# Altium PCB Nuio_LeftKeyboard_Rev_E.PcbDoc (part 1 of 3)
Units mm, origin at the board's own origin, x right, y up, seen from the top; angles counter-clockwise.
Board outline 89.01 x 24.63 mm, 4 copper layers (Top Layer, GND1, GND2, Bottom Layer), stack 0.971 mm thick; 150 components, 103 nets, 610 pads, 449 vias.
Unrouted connection lines stored in the file: 24.
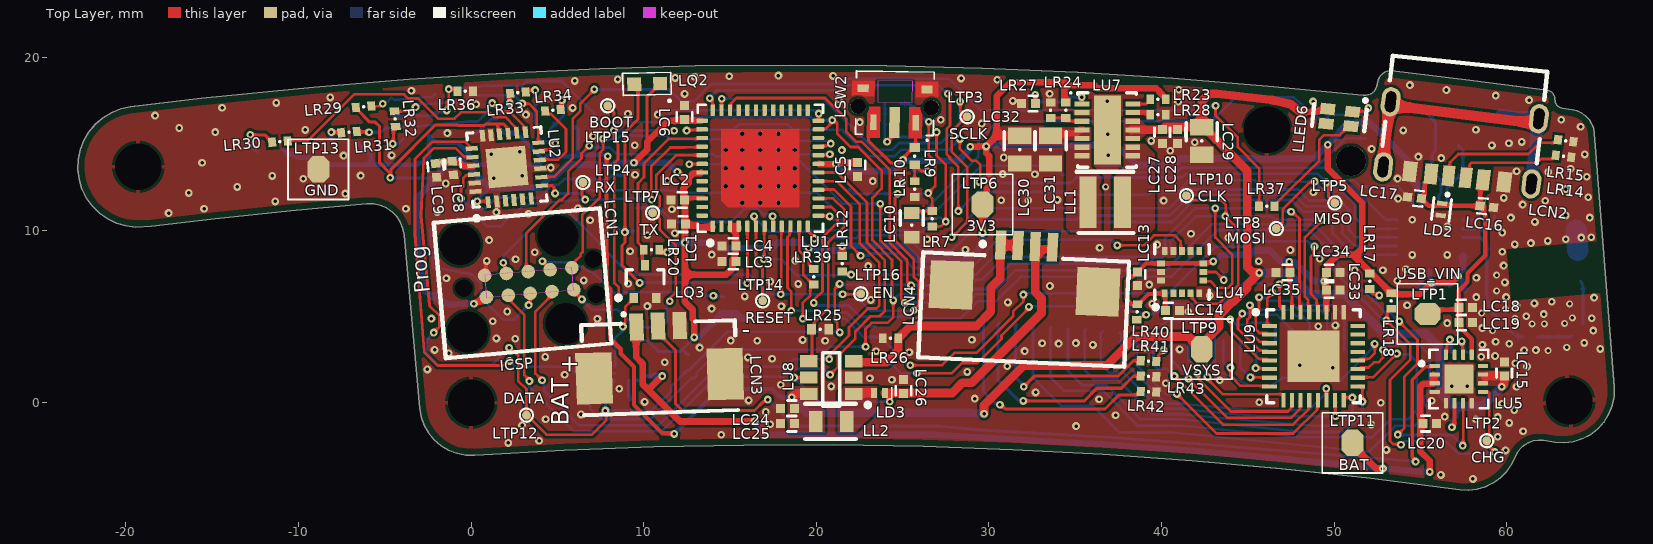
[diagram p0: Top Layer view]
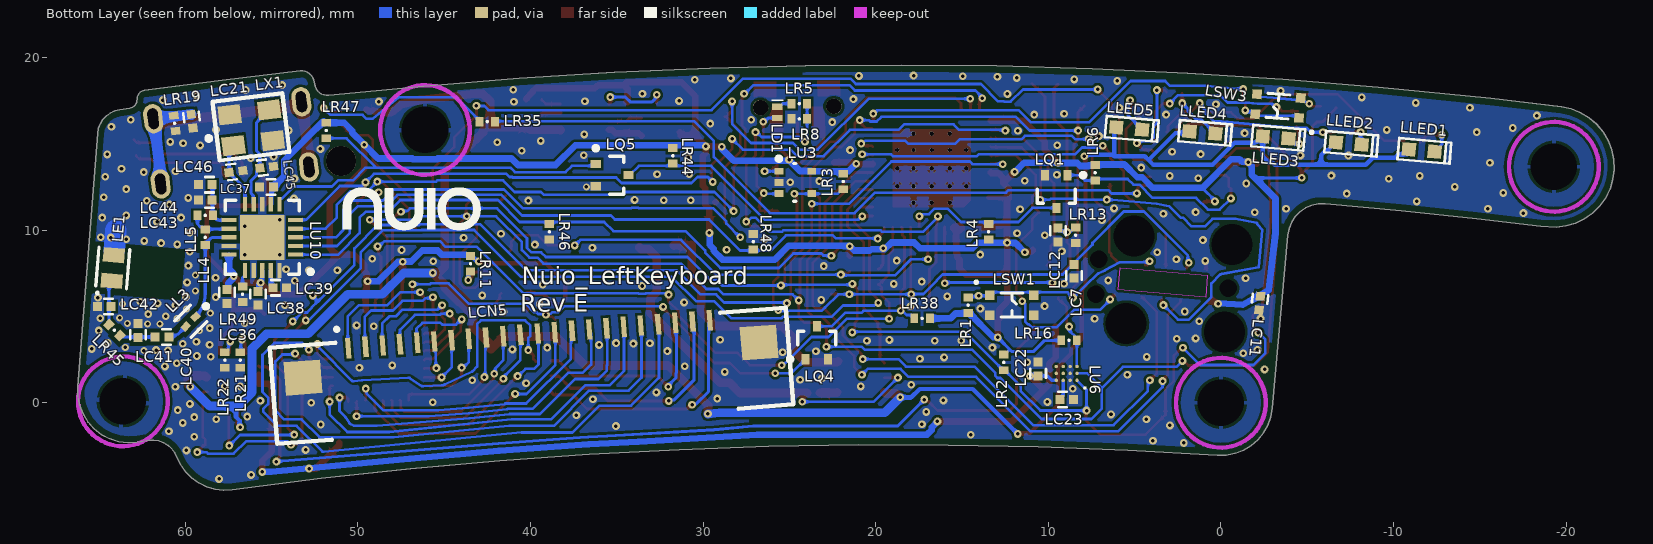
[diagram p1: Bottom Layer view, seen from below]
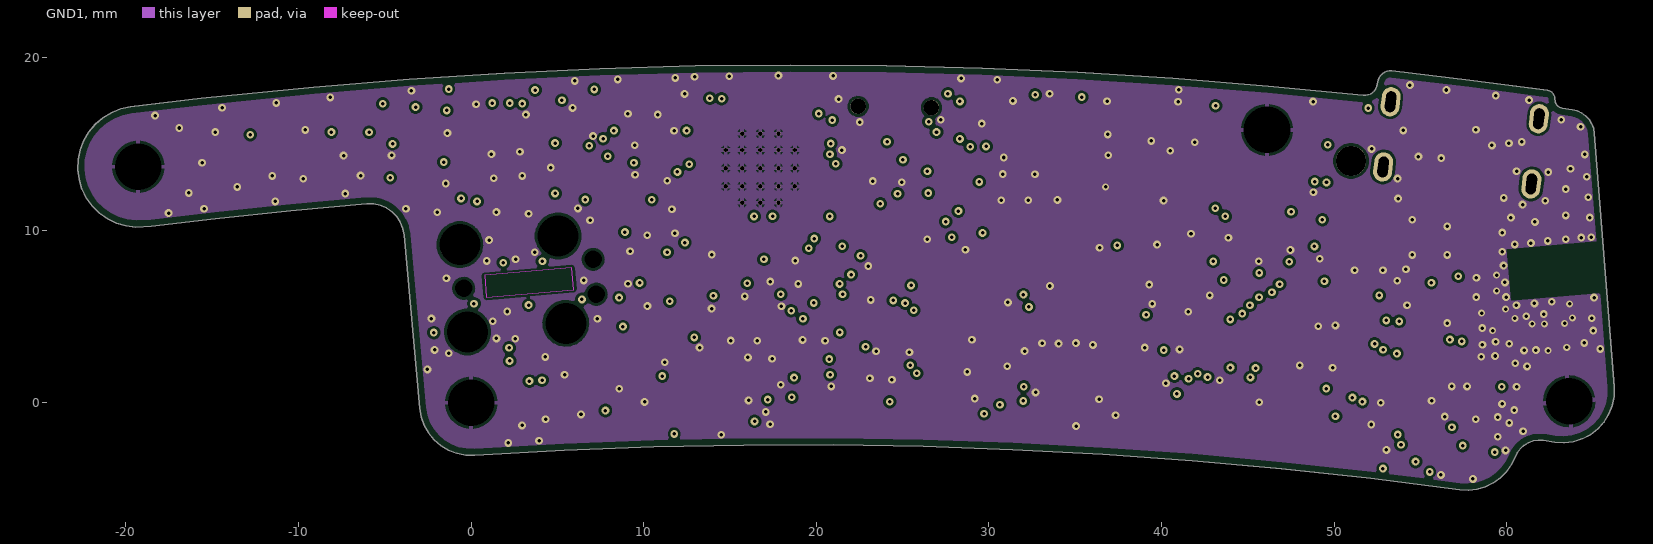
[diagram p2: GND1]
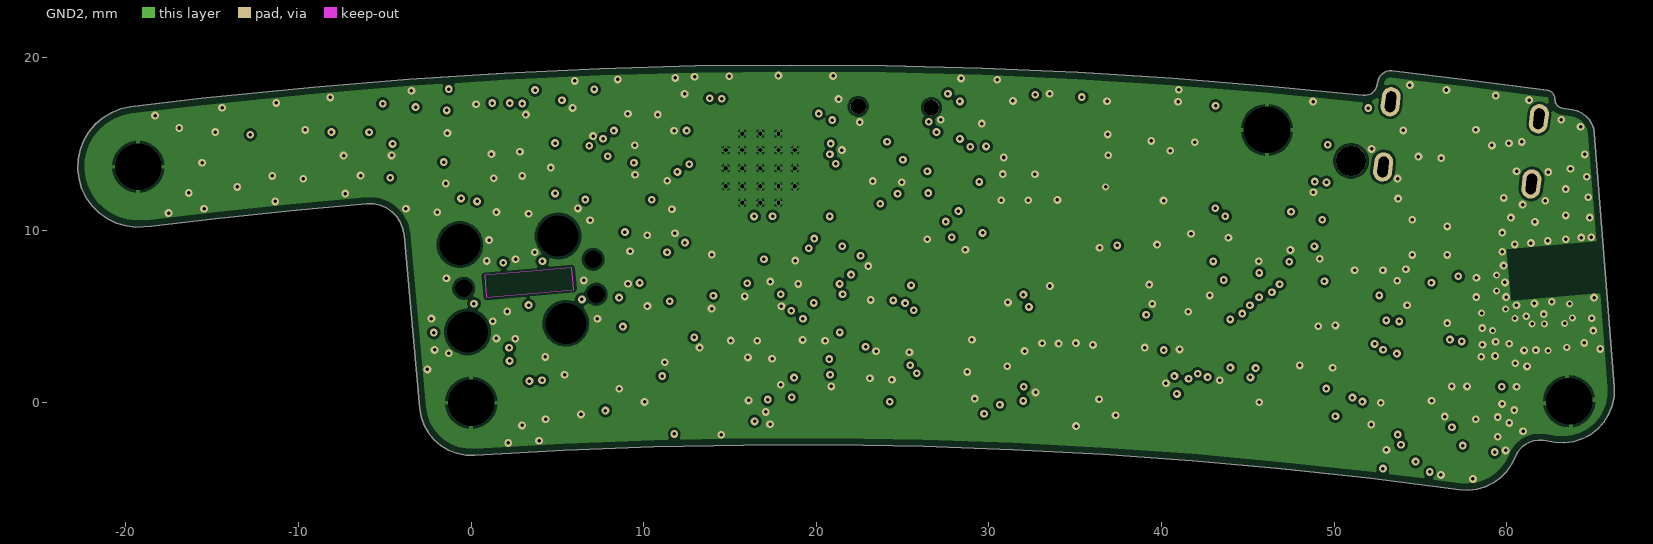
[diagram p3: GND2]

## Layer stack, top to bottom
Top Solder: solder mask 0.0152, Solder Resist, Dk 3.8
Top Layer: signal copper 0.0457
Dielectric 2: prepreg 0.1046, 370HR - 106_76%, Dk 3.69
GND1: signal copper 0.0305
Dielectric 1: dielectric 0.6096, Core, Dk 4.6
GND2: signal copper 0.0305
Dielectric 3: prepreg 0.1046, 370HR - 106_76%, Dk 3.69
Bottom Layer: signal copper 0.0457
Bottom Solder: solder mask 0.0152, Solder Resist, Dk 3.8

## Board outline
-19.419,10.174 -18.54,10.213 -14.832,10.662 -10.438,11.127 -6.037,11.528 -5.647,11.522 -5.265,11.44 -4.906,11.286 -4.584,11.065 -4.311,10.786 -4.097,10.459 -3.951,10.096 -3.879,9.712 -2.983,-0.321 -2.894,-0.828 -2.718,-1.313 -2.463,-1.76 -2.135,-2.157 -1.743,-2.492 -1.3,-2.755 -0.819,-2.939 -0.313,-3.037 0.202,-3.048 5.394,-2.754 10.591,-2.554 15.791,-2.45 20.992,-2.441 26.192,-2.527 31.39,-2.709 36.583,-2.985 41.771,-3.356 46.951,-3.822 52.121,-4.383 57.281,-5.038 57.783,-5.064 58.282,-5.005 58.764,-4.864 59.217,-4.645 59.626,-4.353 59.981,-3.997 60.271,-3.587 60.489,-3.134 60.618,-2.874 60.795,-2.644 61.013,-2.452 61.264,-2.305 61.538,-2.21 61.825,-2.17 62.115,-2.185 62.774,-2.286 63.313,-2.319 63.849,-2.256 64.365,-2.098 64.844,-1.85 65.271,-1.52 65.632,-1.119 65.915,-0.66 66.112,-0.157 66.215,0.373 66.222,0.912 65.077,15.608 65.027,15.892 64.924,16.162 64.771,16.406 64.574,16.617 64.34,16.786 64.078,16.907 63.797,16.976 63.22,17.06 63.131,17.081 63.047,17.118 62.971,17.17 62.907,17.235 62.855,17.31 62.817,17.394 62.796,17.483 62.791,17.575 62.787,17.667 62.765,17.756 62.728,17.84 62.676,17.916 62.611,17.98 62.535,18.032 62.451,18.069 62.361,18.09 57.856,18.689 53.343,19.22 53.196,19.221 53.052,19.195 52.916,19.14 52.793,19.061 52.688,18.958 52.605,18.838 52.546,18.703 52.516,18.56 52.505,18.466 52.474,18.323 52.416,18.189 52.333,18.068 52.228,17.966 52.106,17.886 51.97,17.832 51.826,17.805 51.679,17.806 46.171,18.349 40.654,18.792 35.129,19.136 29.599,19.379 24.066,19.523 18.531,19.566 12.996,19.51 7.463,19.354 1.934,19.097 -3.59,18.741 -9.107,18.285 -15.623,17.628 -19.732,17.143 -20.297,17.022 -20.835,16.81 -21.331,16.513 -21.77,16.137 -22.142,15.695 -22.437,15.197 -22.645,14.658 -22.761,14.092 -22.783,13.514 -22.71,12.941 -22.543,12.387 -22.287,11.869 -21.949,11.4 -21.539,10.993 -21.067,10.658 -20.547,10.406 -19.993,10.243

## Design rules (kind name [scope] priority, off if disabled: settings)
BoardOutlineClearance SilkScreenException [OnLayer('Top Overlay') + OnLayer('Bottom Overlay')] p1: gap=0 ignorepadtopadclearanceinfootprint=FALSE
BoardOutlineClearance [All] p2: gap=0.381 ignorepadtopadclearanceinfootprint=FALSE
Clearance PlugOfNailsException [HasFootprint('TC2050-IDC') vs OnLayer('Keep-Out Layer')] p1: gap=0 ignorepadtopadclearanceinfootprint=FALSE
Clearance AntennaClearance [InNetClass('S50') vs InNet('GND')] p2: gap=0.254 ignorepadtopadclearanceinfootprint=TRUE
Clearance [All] p3: gap=0.152 ignorepadtopadclearanceinfootprint=FALSE
ComponentClearance TestPointException [HasFootprint('Pogo-Testpoint')] p1: gap=0 collisioncheckmode=3 verticalgap=0 showdistances=FALSE
ComponentClearance ProgrammingHeaderException [HasFootprint('TC2050-IDC')] p2: gap=0 collisioncheckmode=3 verticalgap=0 showdistances=FALSE
ComponentClearance [All] p3: gap=0.102 collisioncheckmode=3 verticalgap=0.102 showdistances=FALSE
HoleSize [All] p1: absolutevalues=TRUE maxlimit=12.7 minlimit=0.025 maxpercent=80.000 minpercent=20.000
MinimumSolderMaskSliver [All] p1: minsoldermaskwidth=0
PolygonConnect GNDPolygons [InNet('GND')] p1: thpad.connectstyle=Relief thpad.reliefconductorwidth=0.254 thpad.reliefentries=4 thpad.polygonreliefangle="90 Angle" thpad.airgapwidth=0.152 smdpad.connectstyle=Direct smdpad.reliefconductorwidth=0.254 smdpad.reliefentries=4 smdpad.polygonreliefangle="90 Angle" smdpad.airgapwidth=0.254 via.connectstyle=Direct via.reliefconductorwidth=0.254 via.reliefentries=4 via.polygonreliefangle="90 Angle" via.airgapwidth=0.254
PolygonConnect PowerPolygons [InNetClass('power')] p2: connectstyle=Direct reliefconductorwidth=0.254 reliefentries=4 polygonreliefangle="90 Angle" airgapwidth=0.152
PolygonConnect [All] p3: thpad.connectstyle=Relief thpad.reliefconductorwidth=0.254 thpad.reliefentries=4 thpad.polygonreliefangle="90 Angle" thpad.airgapwidth=0.152 smdpad.connectstyle=Relief smdpad.reliefconductorwidth=0.254 smdpad.reliefentries=4 smdpad.polygonreliefangle="90 Angle" smdpad.airgapwidth=0.152 via.connectstyle=Direct via.reliefconductorwidth=0.254 via.reliefentries=4 via.polygonreliefangle="90 Angle" via.airgapwidth=0.254
ReturnPath [InNetClass('S50')] p1: impedanceprofileid={2F5DB331-C327-4743-8B4D-01656176F6E6} _gaplimit=0
RoutingVias [All] p1: holewidth=0.203 width=0.406 viastyle="Through Hole" minholewidth=0.203 minwidth=0.406 maxholewidth=0.711 maxwidth=1.27
SilkToSilkClearance TestPointExceptionSilk [HasFootprint('Pogo-Testpoint')] p1: silktosilkclearance=0
SilkToSilkClearance USBCExceptionSilk [HasFootprint('USB-TYPE-C AMPHENOL 12401598E4#2A')] p2: silktosilkclearance=0
SilkToSilkClearance PogoExceptionSilk [HasFootprint('TC2050-IDC')] p3: silktosilkclearance=0
SilkToSilkClearance [All] p4: silktosilkclearance=0.025
SilkToSolderMaskClearance TestPointExceptionMask [HasFootprint('Pogo-Testpoint')] p1: minsilkscreentomaskgap=0 clearancetoexposedcopper=TRUE
SilkToSolderMaskClearance USBCExceptionMask [HasFootprint('USB-TYPE-C AMPHENOL 12401598E4#2A')] p2: minsilkscreentomaskgap=0 clearancetoexposedcopper=TRUE
SilkToSolderMaskClearance PogoExceptionSolder [HasFootprint('TC2050-IDC')] p3: minsilkscreentomaskgap=0 clearancetoexposedcopper=TRUE
SilkToSolderMaskClearance [IsPad] p4: minsilkscreentomaskgap=0.025 clearancetoexposedcopper=TRUE
SolderMaskExpansion [All] p1: expansion=0.051 istentingtop=FALSE
UnRoutedNet [All] p1: checkbadconnections=TRUE
ViasUnderSMD [All] p1: allowed=FALSE
Width S50 [InNetClass('S50')] p1: maxlimit=0.387 minlimit=0.152 preferedwidth=0.387 bottomlayer_minwidth=0.178 bottomlayer_maxwidth=0.178 bottomlayer_prefwidth=0.178 impedanceprofiledriven=TRUE impedanceprofileid={2F5DB331-C327-4743-8B4D-01656176F6E6} impedanceprofilevalue=50.000000 minimp=50.000000 maximp=50.000000 favimp=50.000000
Width [All] p2: maxlimit=2 minlimit=0.152 preferedwidth=0.178
24 further rules are at their usual default settings.

## Classes and differential pairs
component class Nuio_LeftKeyboard_Rev_E_5_KeyboardNRF: LC33 LC34 LC35 LC36 LC37 LC38 LC39 LC40 LC41 LC42 LC43 LC44 LC45 LC46 LCN5 LE1 LL3 LL4 LL5 LQ4 LQ5 LR38 LR39 LR40 LR41 LR42 LR43 LR44 LR45 LR46 LR47 LR48 LR49 LU9 LU10 LX1
component class Nuio_LeftKeyboard_Rev_E_4_UI: LLED1 LLED2 LLED3 LLED4 LLED5 LLED6 LR29 LR30 LR31 LR32 LR33 LR34 LR35 LR36 LR37 LSW3
component class Nuio_LeftKeyboard_Rev_E_3_Power: LC15 LC16 LC17 LC18 LC19 LC20 LC21 LC22 LC23 LC24 LC25 LC26 LC27 LC28 LC29 LC30 LC31 LC32 LCN2 LCN3 LCN4 LD2 LD3 LL1 LL2 LQ3 LR14 LR15 LR16 LR17 LR18 LR19 LR20 LR21 LR22 LR23 LR24 LR25 LR26 LR27 LR28 LU5 LU6 LU7 LU8
component class Nuio_LeftKeyboard_Rev_E_2_MCU: LC1 LC2 LC3 LC4 LC5 LC6 LC7 LC8 LC9 LC10 LC11 LC12 LC13 LC14 LCN1 LD1 LQ1 LQ2 LR1 LR2 LR3 LR4 LR5 LR6 LR7 LR8 LR9 LR10 LR11 LR12 LR13 LSW1 LSW2 LTP1 LTP2 LTP3 LTP4 LTP5 LTP6 LTP7 LTP8 LTP9 LTP10 LTP11 LTP12 LTP13 LTP14 LTP15 LTP16 LU1 LU2 LU3 LU4
net class power: 3V3 NetLC26_1 NetLCN4_1 NetLD3_2 NetLL1_1 NetLL1_2 VBAT VSYS
net class S50: NetLC40_1 NetLC40_2 NetLL3_1

## Components (designator, comment, footprint, x,y, rotation, side; value= is the part's Value field where it differs from the comment)
LC1 "CAP CER 1UF 10V X5R 0402" CAPC0402(1005)_L 12.021,10.344 r180 top
LC2 "CAP CER 1UF 10V X5R 0402" CAPC0402(1005)_L 11.977,11.742 r180 top
LC3 "CAP CER 1UF 10V X5R 0402" CAPC0402(1005)_L 14.942,8.185 r180 top
LC4 "CAP CER 0.1UF 16V X5R 0402" CAPC0402(1005)_L 14.942,9.074 r180 top
LC5 "CAP CER 0.1UF 16V X5R 0402" CAPC0402(1005)_L 22.391,13.52 r270 top
LC6 "CAP CER 0.1UF 16V X5R 0402" CAPC0402(1005)_L 12.358,16.822 r90 top
LC7 "CAP CER 0.1UF 16V X5R 0402" CAPC0402(1005)_L 8.509,7.62 r90 bottom
LC8 "CAP CER 0.1UF 16V X5R 0402" CAPC0402(1005)_L -1.049,13.598 r275 top
LC9 "CAP CER 1UF 10V X5R 0402" CAPC0402(1005)_L -2.032,13.462 r275 top
LC10 "22uF" CAPC0603(1608)_L 25.527,10.287 r270 top
LC11 "CAP CER 0.1UF 16V X5R 0402" CAPC0402(1005)_L -2.247,5.773 r276 bottom
LC12 "CAP CER 0.47UF 10V 10% X5R 0402" CAPC0402(1005)_L 9.437,9.71 r270 bottom
LC13 "CAP CER 0.1UF 16V X5R 0402" CAPC0402(1005)_L 38.61,7.183 r270 top
LC14 "CAP CER 0.1UF 16V X5R 0402" CAPC0402(1005)_L 40.64,5.334 r0 top
LC15 "CAP CER 1UF 10V X5R 0402" CAPC0402(1005)_L 59.856,1.963 r90 top
LC16 "CAP CER 1UF 10V X5R 0402" CAPC0402(1005)_L 58.84,11.361 r353.5 top
LC17 "CAP CER 1UF 10V X5R 0402" CAPC0402(1005)_L 54.649,11.869 r173.5 top
LC18 "CAP CER 1UF 10V X5R 0402" CAPC0402(1005)_L 57.618,5.527 r0 top
LC19 "CAP CER 0.1UF 16V X5R 0402" CAPC0402(1005)_L 57.627,4.642 r0 top
LC20 "4.7uF" CAPC0402(1005)_L 55.538,-1.212 r0 top
LC21 "CAP CER 0.1UF 16V X5R 0402" CAPC0402(1005)_L 59.602,16.314 r262.87 bottom
LC22 "CAP CER 1UF 10V X5R 0402" CAPC0402(1005)_L 10.586,1.954 r90 bottom
LC23 "CAP CER 2.2UF 10V X5R 0402" CAPC0402(1005)_L 8.929,0.185 r180 bottom
LC24 "CAP CER 2.2UF 10V X5R 0402" CAPC0402(1005)_L 18.327,-0.323 r180 top
LC25 "CAP CER 2.2UF 10V X5R 0402" CAPC0402(1005)_L 18.327,-1.212 r180 top
LC26 "2.2uF" CAPC0402(1005)_L 25.058,0.947 r90 top
LC27 "CAP CER 0.1UF 16V X5R 0402" CAPC0402(1005)_L 40.044,15.425 r270 top
LC28 "CAP CER 1UF 10V X5R 0402" CAPC0402(1005)_L 40.933,15.425 r270 top
LC29 "CAP CER 10UF 10V X7R 0805" CAPC0805(2012)_L 42.33,15.171 r270 top
LC30 "CAP CER 10UF 10V X7R 0805" CAPC0805(2012)_L 31.789,14.663 r270 top
LC31 "CAP CER 10UF 10V X7R 0805" CAPC0805(2012)_L 33.567,14.663 r270 top
LC32 "CAP CER 0.1UF 16V X5R 0402" CAPC0402(1005)_L 32.297,17.33 r180 top
LC33 "CAP CER 0.1UF 16V X5R 0402" CAPC0402(1005)_L 49.95,6.535 r0 top
LC34 "CAP CER 1UF 10V X5R 0402" CAPC0402(1005)_L 49.95,7.551 r0 top
LC35 "CAP CER 1UF 10V X5R 0402" CAPC0402(1005)_L 47.029,7.551 r180 top
LC36 "CAP CER 0.1UF 16V X5R 0402" CAPC0402(1005)_L 57.57,6.154 r270 bottom
LC37 "CAP CER 1UF 10V X5R 0402" CAPC0402(1005)_L 55.284,12.504 r0 bottom
LC38 "CAP CER 1UF 10V X5R 0402" CAPC0402(1005)_L 55.792,6.052 r270 bottom
LC39 "0.033uF" CAPC0402(1005)_L 54.522,6.662 r180 bottom
LC40 "1.5pF" CAPC0402(1005)_L 61.341,3.81 r0 bottom
LC41 "1pF" CAPC0402(1005)_L 62.738,4.191 r90 bottom
LC42 "CAP CER 0.5PF 50V C0G/NP0 0402" CAPC0402(1005)_L 64.693,5.571 r0 bottom
LC43 "2200pF" CAPC0402(1005)_L 58.84,11.742 r0 bottom
LC44 "4.7pF" CAPC0402(1005)_L 58.84,12.631 r0 bottom
LC45 "15pF" CAPC0402(1005)_L 55.284,13.647 r172.87 bottom
LC46 "15pF" CAPC0402(1005)_L 57.062,13.393 r172.87 bottom
LCN1 "TC2050-IDC" TC2050-IDC -0.43,6.632 r5 top locked
LCN2 "USB4125-GF-A" USB4125-GF-A 57.121,13.09 r173.47 top
LCN3 "Molex 3x1 Picoblade R/A SMD" "Molex 3x1 Picoblade R_A SMD" 10.879,2.988 r181.91 top locked
LCN4 "FFC3B07-04-T" FFC3B07-04-T 32.18,9.079 r357.37 top
LCN5 "F52R-1A7H1-11022" F52R-1A7H1-11022 50.552,3.163 r175.58 bottom locked
LD1 "PMEG4010AESBYL" PMEG4010AESBYL-Footprint-1 25.693,16.822 r270 bottom
LD2 "TPD1E05U06QDPYRQ1" FP-DPY0002A-MFG 56.212,11.201 r263.5 top
LD3 "PMEG4010AESBYL" PMEG4010AESBYL-Footprint-1 23.661,0.566 r180 top
LE1 "ACAG0201-2450-T" ACAG0201-2450-T 64.198,7.805 r95 bottom
LL1 "FIXED IND 2.2UH 2.83A 74MOHM SMD" "FIXED IND 2.2UH 2.83A 74MOHM SMD" 36.742,11.615 r180 top
LL2 "FIXED IND 10UH 300MA 680MOHM SMD" "FIXED IND 10UH 300MA 680MOHM SMD" 20.867,-1.085 r0 top value=10uH
LL3 "FIXED IND 3.9NH 0402" FP-LQG15HH_02-IPC_C 59.69,4.699 r315 bottom
LL4 "FIXED IND 8.2NH 550MA 240MOHM SM" Inductor0402(1005)_L 58.84,9.583 r90 bottom
LL5 "FIXED IND 2.7NH 800MA 150MOHM SM" Inductor0402(1005)_L 58.84,10.853 r180 bottom
LLED1 "LTST-C191KGKT" SM-LED-0603 -11.636,14.61 r5 bottom locked
LLED2 "LTST-C191KGKT" SM-LED-0603 -7.406,15.019 r5 bottom
LLED3 "LTST-C191KGKT" SM-LED-0603 -3.169,15.367 r5 bottom locked
LLED4 "LTST-C191KGKT" SM-LED-0603 1.071,15.657 r5 bottom locked
LLED5 "LTST-C191KGKT" SM-LED-0603 5.315,15.886 r5 bottom locked
LLED6 "LTST-C19HE1WT" LTST-C19HE1WT 50.297,16.519 r264 top locked
LQ1 "BSS138W-7-F" DIOD-SOT323-3_V 9.536,12.236 r270 bottom
LQ2 "ALS-PT19-315C/L177/TR8" ALS-PT19-315C_L177_TR8 10.199,18.473 r181.62 top
LQ3 "BSS138W-7-F" DIOD-SOT323-3_V 10.076,7.02 r90 top
LQ4 "BSS138W-7-F" DIOD-SOT323-3_V 23.41,3.471 r90 bottom
LQ5 "BSS138W-7-F" DIOD-SOT323-3_V 35.268,13.191 r180 bottom
LR1 "RES SMD 4.7K OHM 1% 1/16W 0402" RESC0402(1005)_L 14.648,5.654 r90 bottom value=4.7k
LR2 "RES SMD 4.7K OHM 1% 1/16W 0402" RESC0402(1005)_L 12.579,2.338 r270 bottom value=4.7k
LR3 "RES SMD 4.7K OHM 1% 1/16W 0402" RESC0402(1005)_L 21.883,12.816 r270 bottom value=4.7k
LR4 "RES 100K OHM 1% 1/16W 0402" RESC0402(1005)_L 13.462,9.906 r90 bottom value=100k
LR5 "RES SMD 1K OHM 1% 1/16W 0402" RESC0402(1005)_L 24.423,17.33 r0 bottom
LR6 "RES 100K OHM 1% 1/16W 0402" RESC0402(1005)_L 7.288,13.329 r270 bottom value=100k
LR7 "220K" RESC0402(1005)_L 26.712,10.664 r90 top
LR8 "RES SMD 1K OHM 1% 1/16W 0402" RESC0402(1005)_L 24.423,16.441 r0 bottom
LR9 "RES SMD 10K OHM 1% 1/16W 0402" RESC0402_YAGEO 25.693,14.29 r270 top
LR10 "RES 47.5K OHM 1% 1/16W 0402" RESC0402(1005)_L 25.693,12.377 r270 top
LR11 "RES SMD 10K OHM 1% 1/16W 0402" RESC0402(1005)_L 43.473,8.059 r90 bottom
LR12 "RES SMD 10K OHM 1% 1/16W 0402" RESC0402(1005)_L 21.502,8.059 r270 top
LR13 "3.9K" RESC0402(1005)_L 8.421,9.71 r270 bottom
LR14 "RES SMD 5.1K OHM 1% 1/10W 0402" RESC0402(1005)_L 63.285,14.282 r172.87 top
LR15 "RES SMD 5.1K OHM 1% 1/10W 0402" RESC0402(1005)_L 63.412,15.171 r172.87 top
LR16 "RES 100K OHM 1% 1/16W 0402" RESC0402(1005)_L 8.802,3.614 r180 bottom value=100k
LR17 "RES 100K OHM 1% 1/16W 0402" RESC0402(1005)_L 52.07,7.043 r90 top value=100k
LR18 "RES 100K OHM 1% 1/16W 0402" RESC0402(1005)_L 53.295,5.897 r90 top value=100k
LR19 "RES SMD 330 OHM 1% 1/16W 0402" RESC0402(1005)_L 60.618,16.187 r262.87 bottom
LR20 "RES 100K OHM 1% 1/16W 0402" RESC0402(1005)_L 10.451,8.864 r180 top value=100k
LR21 "RES SMD 1.8K OHM 0.1% 1/16W 0402" RESC0402(1005)_L 56.808,2.471 r270 bottom value=1.8k
LR22 "RES 0 OHM JUMPER 1/16W 0402" RESC0402(1005)_L 57.697,2.471 r270 bottom
LR23 "RES 100K OHM 1% 1/16W 0402" RESC0402(1005)_L 39.79,17.584 r180 top value=100k
LR24 "RES 1M OHM 1% 1/16W 0402" RESC0402(1005)_L 34.456,16.949 r270 top
LR25 "RES SMD 10K OHM 1% 1/16W 0402" RESC0402_YAGEO 20.224,4.249 r0 top
LR26 "13" RESC0402(1005)_L 24.296,3.741 r180 top value=13R
LR27 "180k" RESC0402(1005)_L 33.567,16.949 r90 top
LR28 "RES SMD 10K OHM 1% 1/16W 0402" RESC0402(1005)_L 39.79,16.695 r0 top
LR29 "RES SMD 10K OHM 1% 1/16W 0402" RESC0402(1005)_L -6.223,17.145 r5 top
LR30 "RES SMD 1K OHM 1% 1/16W 0402" RESC0402(1005)_L -11.078,15.132 r5 top
LR31 "RES SMD 1K OHM 1% 1/16W 0402" RESC0402(1005)_L -7.073,15.679 r5 top
LR32 "RES SMD 1K OHM 1% 1/16W 0402" RESC0402(1005)_L -4.406,16.441 r95 top
LR33 "RES SMD 1K OHM 1% 1/16W 0402" RESC0402(1005)_L 2.706,17.965 r5 top
LR34 "RES SMD 1K OHM 1% 1/16W 0402" RESC0402(1005)_L 4.738,16.949 r185 top
LR35 "RES SMD 1K OHM 1% 1/16W 0402" RESC0402(1005)_L 42.505,16.287 r0 bottom
LR36 "RES 100K OHM 1% 1/16W 0402" RESC0402(1005)_L -0.341,18.053 r0 top value=100k
LR37 "560" RESC0402(1005)_L 46.099,11.387 r0 top
LR38 "RES 100K OHM 1% 1/16W 0402" RESC0402(1005)_L 17.311,4.884 r0 bottom value=100k
LR39 "RES SMD 10K OHM 1% 1/16W 0402" RESC0402(1005)_L 19.851,7.297 r270 top
LR40 "RES 100K OHM 1% 1/16W 0402" RESC0402(1005)_L 38.587,5.265 r267.37 top value=100k
LR41 "RES SMD 1K OHM 1% 1/16W 0402" RESC0402(1005)_L 39.243,2.413 r357.37 top
LR42 "RES 0 OHM JUMPER 1/16W 0402" RESC0402(1005)_L 39.243,0.635 r357.37 top
LR43 "RES 0 OHM JUMPER 1/16W 0402" RESC0402(1005)_L 39.243,1.524 r357.37 top
LR44 "RES 100K OHM 1% 1/16W 0402" RESC0402(1005)_L 31.749,14.309 r270 bottom value=100k
LR45 "RES 0 OHM JUMPER 1/16W 0402" RESC0402(1005)_L 64.105,4.206 r45 bottom
LR46 "RES 100K OHM 1% 1/16W 0402" RESC0402(1005)_L 38.898,9.9 r90 bottom value=100k
LR47 "RES 100K OHM 1% 1/16W 0402" RESC0402(1005)_L 51.836,15.771 r270 bottom value=100k
LR48 "RES 100K OHM 1% 1/16W 0402" RESC0402(1005)_L 27.09,9.329 r90 bottom value=100k
LR49 "22K" RESC0402(1005)_L 56.681,6.281 r270 bottom
LSW1 "SKSVCAE010" SKSVCAE010 12.104,5.646 r180 bottom
LSW2 "TL3340AF160QG" TL3340AF160QG 24.53,16.231 r179 top
LSW3 "SKSVCAE010" SKSVCAE010 -3.306,17.188 r5 bottom locked
LTP1 "USB_VIN" Pogo-Testpoint 55.411,5.138 r90 top
LTP2 "CHG" MTK-TESTPOINT-20 58.837,-2.202 r0 top
LTP3 "SCLK" MTK-TESTPOINT-20 28.741,16.568 r90 top
LTP4 "RX" MTK-TESTPOINT-20 6.483,12.762 r0 top locked
LTP5 "MISO" MTK-TESTPOINT-20 50.041,11.576 r90 top
LTP6 "3V3" Pogo-Testpoint 29.63,11.488 r0 top
LTP7 "TX" MTK-TESTPOINT-20 10.513,10.999 r0 top
LTP8 "MOSI" MTK-TESTPOINT-20 46.648,10.091 r90 top
LTP9 "VSYS" Pogo-Testpoint 42.33,3.106 r0 top locked
LTP10 "CLK" MTK-TESTPOINT-20 41.441,11.996 r0 top
LTP11 "BAT" Pogo-Testpoint 51.066,-2.324 r0 top
LTP12 "DATA" MTK-TESTPOINT-20 3.206,-0.715 r0 top
LTP13 "GND" Pogo-Testpoint -8.851,13.52 r0 top
LTP14 "RESET" MTK-TESTPOINT-20 16.89,5.905 r0 top
LTP15 "BOOT" MTK-TESTPOINT-20 7.913,17.203 r90 top
LTP16 "EN" MTK-TESTPOINT-20 22.576,6.311 r90 top
LU1 "ESP32-PICO-D4" ESP32-PICO-D4 16.754,13.587 r90 top locked
LU2 "PI4IOE5V9535ZDEX" PI4IOE5V9535ZDEX 2.071,13.647 r95 top locked
LU3 "LMV331SQ3T2G" ONSC-SC70-5-419A-02_K_L 25.604,13.411 r180 bottom
LU4 "LIS3DHTR" LGA16 41.187,7.572 r90 top locked
LU5 "BQ24232HARGTR" BQ24232HARGTR 57.224,1.378 r0 top
LU6 "LC709204FXE-01TBG" BGA12C40P4X3_191X148X51 8.935,1.7 r0 bottom
LU7 "RT6154AGQW" PSON50P300X80_HS-15N 36.864,15.806 r0 top
LU8 "RT4533GJ6" RT4533GJ6 20.867,1.455 r180 top
LU9 "PCAL6524HEHP" QFN50P500X500X60_HS-33N 48.807,2.698 r0 top
LU10 "NRF24L01P-R7" QFN50P400X400X95_HS-21N 55.538,9.583 r0 bottom
LX1 "ECS-160-12-33-AGN-TR3" ECS-160-12-33-AGN-TR3 56.173,15.933 r172.87 bottom
